# KiCad board RadCheck-SDRAM.kicad_pcb (continued)
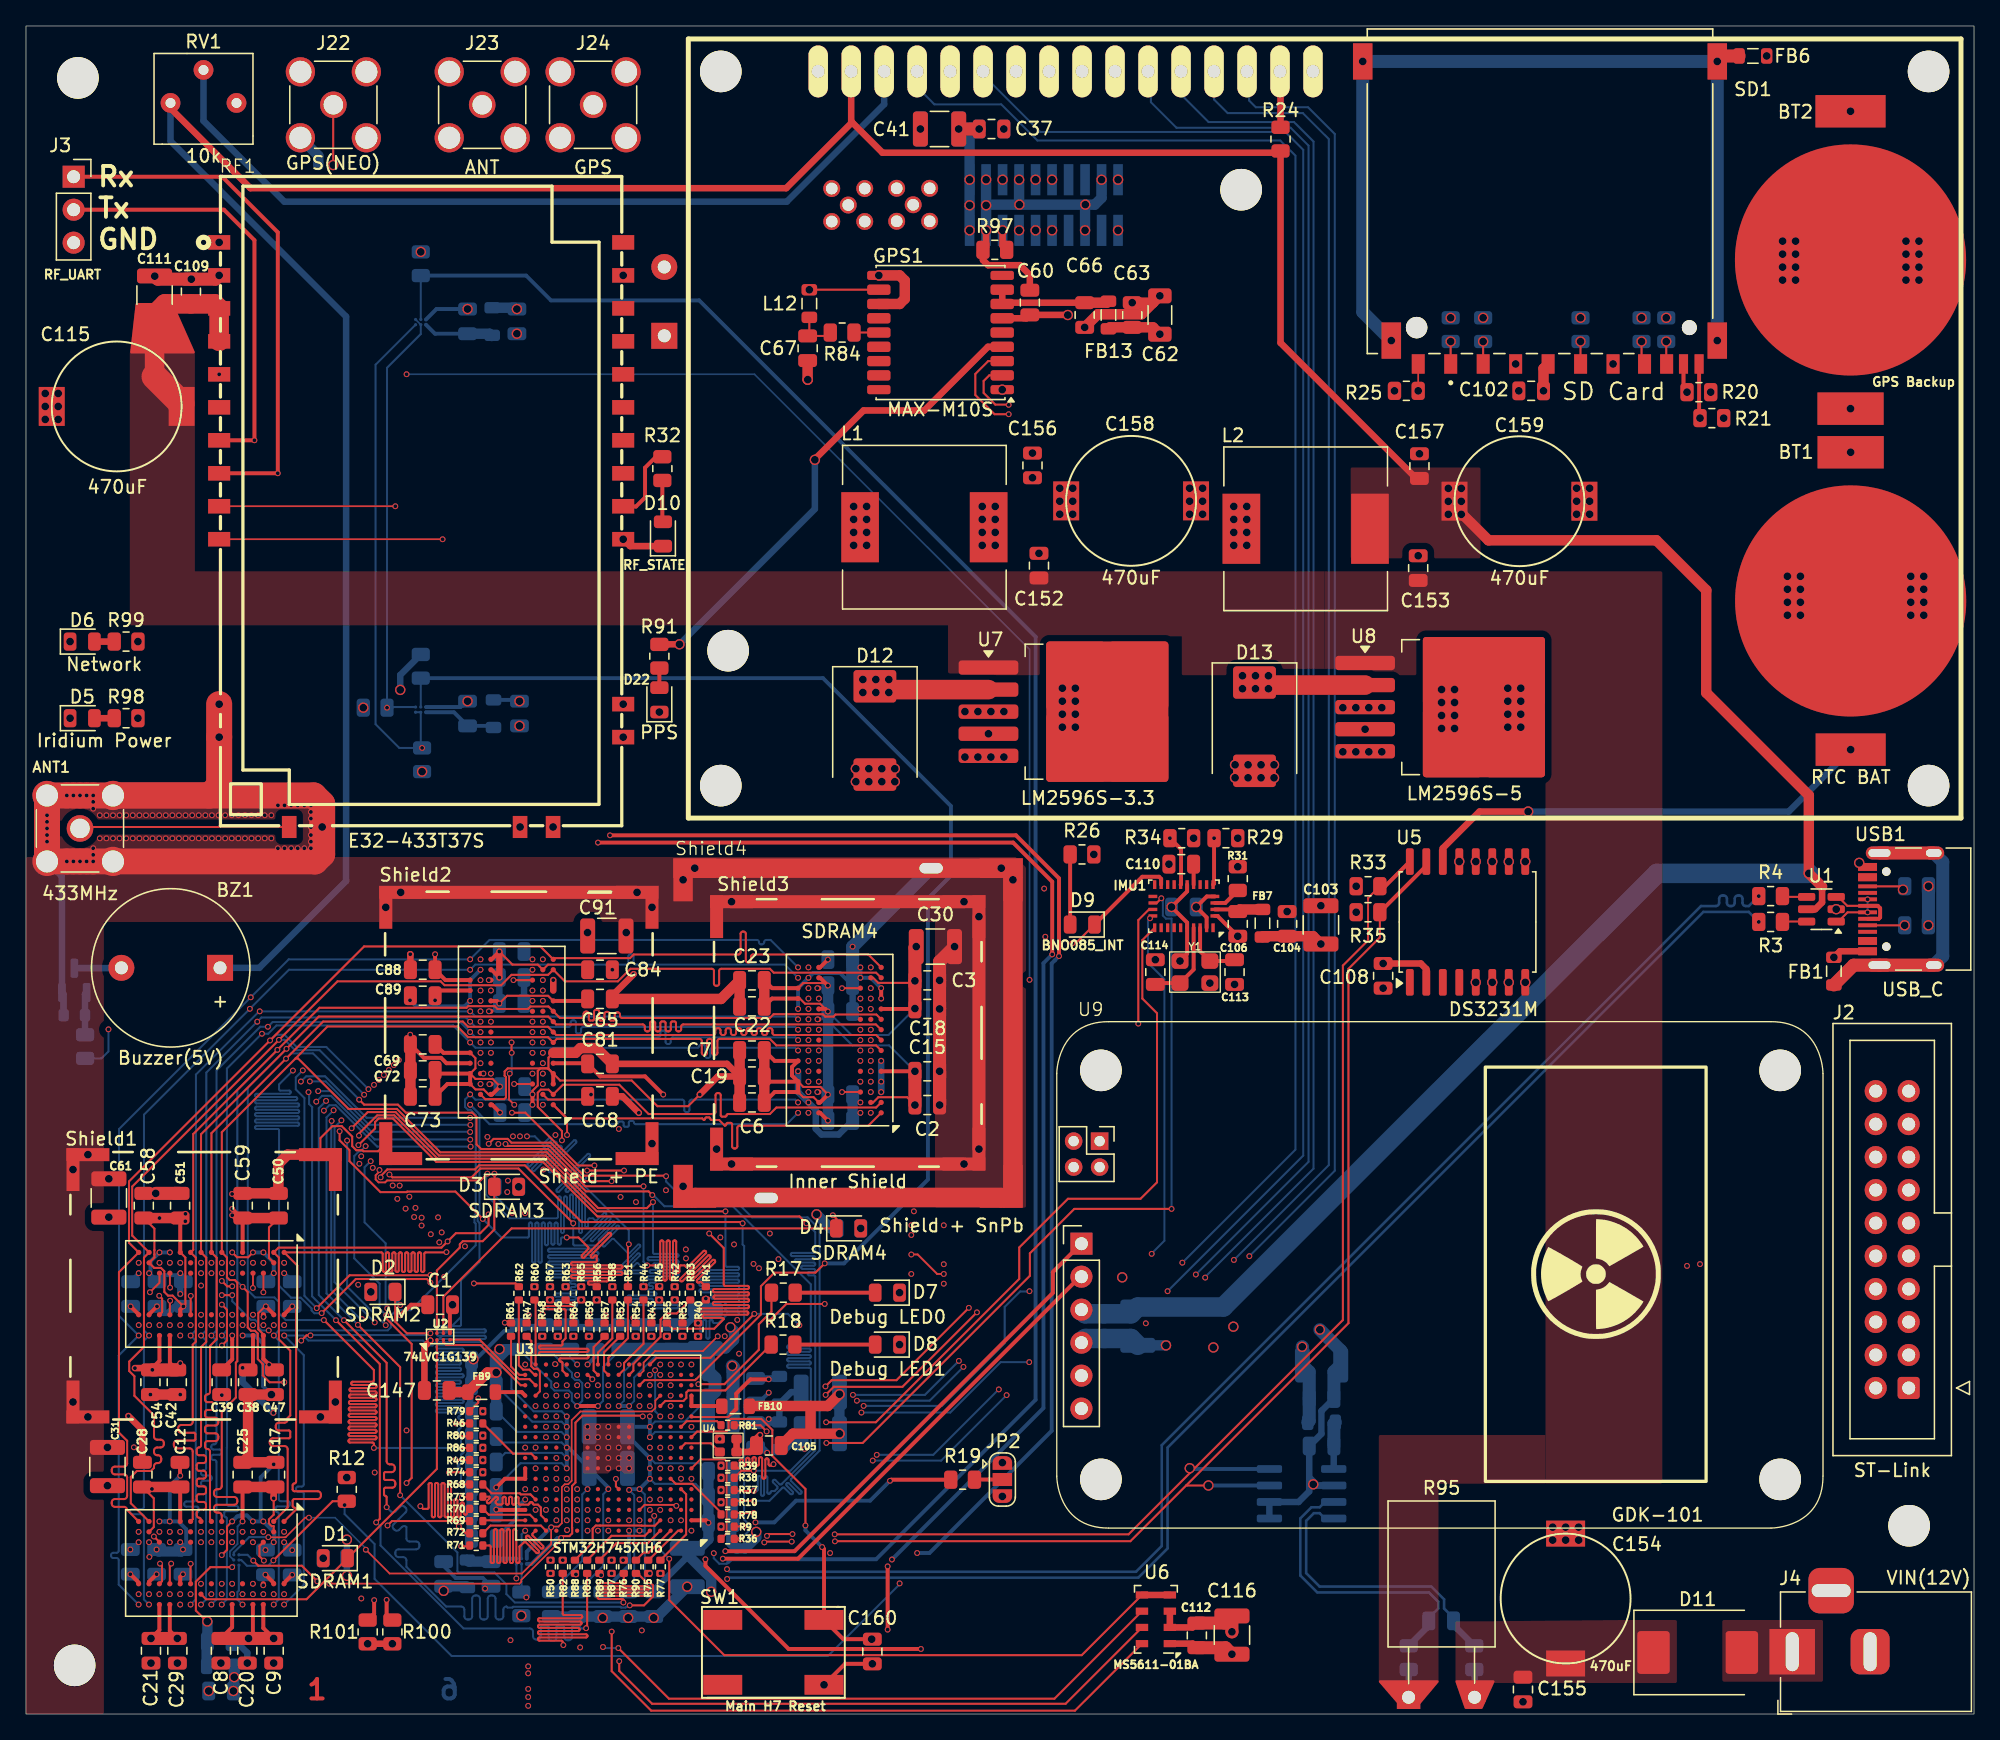
[diagram p0: board, top side]
## Placement (name value [footprint] x y rotation side) (continued)
Q1  BSS138  [SOT-23]  3.72 56.5 90 bottom
R1  5.1k  [R_0805_2012Metric]  145.58 63.75 0 bottom
R2  5.1k  [R_0805_2012Metric]  145.57 60.74 0 bottom
R3  22  [R_0805_2012Metric]  134.34 61 180 top
R4  22  [R_0805_2012Metric]  134.34 62.99 180 top
R5  1k  [R_0805_2012Metric]  23.8 12 180 bottom
R6  1k  [R_0805_2012Metric]  27.46 32.51 180 bottom
R7  1k  [R_0805_2012Metric]  37.03 40.6 0 bottom
R8  1k  [R_0805_2012Metric]  63.36 37.4 0 bottom
R9  22  [R_0402_1005Metric]  54.03 14.43 0 top
R10  22  [R_0402_1005Metric]  54.03 16.31 0 top
R11  10k  [R_0805_2012Metric]  38.14 8.49 90 bottom
R12  10k  [R_0805_2012Metric]  24.7 17.3 270 top
R13  4.7k  [R_0805_2012Metric]  30.5 73.49 90 bottom
R14  4.7k  [R_0805_2012Metric]  26.89 77.5 0 bottom
R15  10k  [R_0805_2012Metric]  30.4 80.69 270 bottom
R16  10k  [R_0805_2012Metric]  30.4 111.69 270 bottom
R17  1k  [R_0805_2012Metric]  58.31 32.45 0 top
R18  1k  [R_0805_2012Metric]  58.29 28.45 0 top
R19  10k  [R_0805_2012Metric]  72.12 18.05 180 top
R20  10k  [R_0805_2012Metric]  128.81 101.8 0 top
R21  10k  [R_0805_2012Metric]  129.81 99.8 0 top
R22  10k  [R_0805_2012Metric]  124.4 106.61 90 bottom
R23  10k  [R_0805_2012Metric]  126.3 106.61 90 bottom
R24  330  [R_0805_2012Metric]  96.6 121.29 270 top
R25  10k  [R_0805_2012Metric]  106.29 101.9 180 top
R26  1k  [R_0805_2012Metric]  81.31 66.2 180 top
R27  10k  [R_0805_2012Metric]  109.7 106.61 90 bottom
R28  10k  [R_0805_2012Metric]  119.7 106.61 90 bottom
R29  10k  [R_0805_2012Metric]  92.4 67.45 0 top
R30  10k  [R_0805_2012Metric]  112.2 106.61 90 bottom
R31  10k  [R_0805_2012Metric]  93.31 64.34 90 top
R32  1k  [R_0805_2012Metric]  49 95.91 270 top
R33  4.7k  [R_0805_2012Metric]  103.34 63.75 0 top
R34  10k  [R_0805_2012Metric]  89 67.45 0 top
R35  4.7k  [R_0805_2012Metric]  103.34 61.75 0 top
R36  22  [R_0402_1005Metric]  54.03 13.49 0 top
R37  22  [R_0402_1005Metric]  54.03 17.25 0 top
R38  22  [R_0402_1005Metric]  54.03 18.19 0 top
R39  22  [R_0402_1005Metric]  54.03 19.13 0 top
R40  22  [R_0402_1005Metric]  51.75 29.6 90 top
R41  22  [R_0402_1005Metric]  52.35 32.4 90 top
R42  22  [R_0402_1005Metric]  49.95 32.4 90 top
R43  22  [R_0402_1005Metric]  48.15 29.6 90 top
R44  22  [R_0402_1005Metric]  47.55 32.4 90 top
R45  22  [R_0402_1005Metric]  48.75 32.4 90 top
R46  22  [R_0402_1005Metric]  34.67 22.38 180 top
R47  22  [R_0402_1005Metric]  38.55 29.6 90 top
R48  22  [R_0402_1005Metric]  39.75 29.6 90 top
R49  22  [R_0402_1005Metric]  34.67 19.56 180 top
R50  22  [R_0402_1005Metric]  40.39 11.34 270 top
R51  22  [R_0402_1005Metric]  46.35 32.4 90 top
R52  22  [R_0402_1005Metric]  45.75 29.6 90 top
R53  22  [R_0402_1005Metric]  50.55 29.6 90 top
R54  22  [R_0402_1005Metric]  46.95 29.6 90 top
R55  22  [R_0402_1005Metric]  49.35 29.6 90 top
R56  22  [R_0402_1005Metric]  43.95 32.4 90 top
R57  22  [R_0402_1005Metric]  44.55 29.6 90 top
R58  22  [R_0402_1005Metric]  45.15 32.4 90 top
R59  22  [R_0402_1005Metric]  43.35 29.6 90 top
R60  22  [R_0402_1005Metric]  39.15 32.4 90 top
R61  22  [R_0402_1005Metric]  37.35 29.6 90 top
R62  22  [R_0402_1005Metric]  37.95 32.4 90 top
R63  22  [R_0402_1005Metric]  41.55 32.4 90 top
R64  22  [R_0402_1005Metric]  42.15 29.6 90 top
R65  22  [R_0402_1005Metric]  42.75 32.4 90 top
R66  22  [R_0402_1005Metric]  40.95 29.6 90 top
R67  22  [R_0402_1005Metric]  40.35 32.4 90 top
R68  22  [R_0402_1005Metric]  34.67 17.68 180 top
R69  22  [R_0402_1005Metric]  34.67 14.86 180 top
R70  22  [R_0402_1005Metric]  34.67 15.8 180 top
R71  22  [R_0402_1005Metric]  34.67 12.98 180 top
R72  22  [R_0402_1005Metric]  34.67 13.92 180 top
R73  22  [R_0402_1005Metric]  34.67 16.74 180 top
R74  22  [R_0402_1005Metric]  34.67 18.62 180 top
R75  22  [R_0402_1005Metric]  47.91 11.34 270 top
R76  22  [R_0402_1005Metric]  46.03 11.34 270 top
R77  22  [R_0402_1005Metric]  48.85 11.34 270 top
R78  22  [R_0402_1005Metric]  54.03 15.37 0 top
R79  22  [R_0402_1005Metric]  34.67 23.32 180 top
R80  22  [R_0402_1005Metric]  34.67 21.44 180 top
R81  22  [R_0402_1005Metric]  54.03 22.24 0 top
R82  22  [R_0402_1005Metric]  41.33 11.34 270 top
R83  22  [R_0402_1005Metric]  51.15 32.4 90 top
R84  10  [R_0805_2012Metric]  62.85 106.39 180 top
R85  22  [R_0402_1005Metric]  43.21 11.34 270 top
R86  22  [R_0402_1005Metric]  34.67 20.5 180 top
R87  22  [R_0402_1005Metric]  45.09 11.34 270 top
R88  22  [R_0402_1005Metric]  42.27 11.34 270 top
R89  22  [R_0402_1005Metric]  44.15 11.34 270 top
R90  22  [R_0402_1005Metric]  46.97 11.34 270 top
R91  1k  [R_0805_2012Metric]  48.77 81.46 270 top
R92  1k  [R_0805_2012Metric]  4.55 51.4 90 bottom
R93  10k  [R_0603_1608Metric]  3.72 53.81 0 bottom
R94  0  [R_0805_2012Metric]  106.47 4.34 270 bottom
R95  0.1  [TO-126-2_Horizontal_TabDown]  106.46 1.29 0 top
R96  0  [R_0805_2012Metric]  111.52 4.34 90 bottom
R97  1k  [R_0805_2012Metric]  74.6 112.76 0 top
R98  1k  [R_0805_2012Metric]  7.71 76.69 0 top
R99  1k  [R_0805_2012Metric]  7.71 82.59 0 top
R100  100k  [R_0805_2012Metric]  28.21 6.32 90 top
R101  100k  [R_0805_2012Metric]  26.31 6.32 90 top
REF**  -  [MountingHole_3.2mm_M3]  4 126 0 top
REF**#2  -  [MountingHole_3.2mm_M3]  145 14.5 0 top
REF**#3  -  [MountingHole_3.2mm_M3]  3.75 3.75 0 top
RF1  -  [E32-433T37S]  45.87 68.41 180 top
RV1  10k  [3362P-103LF]  13.67 126.61 0 top
SBD1  Iridium 9602  [Iridium_9602]  91.51 115.46 180 bottom
SD1  SD Card  [AMPHENOL_GSD090012SEU]  116.58 117.27 180 top
SDRAM1  IS42S32160F-6BLI  [BGA-90_8.0x13.0mm_Layout2x3x15_P0.8mm]  14.27 11.63 270 top
SDRAM2  IS42S32160F-6BLI  [BGA-90_8.0x13.0mm_Layout2x3x15_P0.8mm]  14.28 32.35 270 top
SDRAM3  IS42S32160F-6BLI  [BGA-90_8.0x13.0mm_Layout2x3x15_P0.8mm]  37.4 52.52 180 top
SDRAM4  IS42S32160F-6BLI  [BGA-90_8.0x13.0mm_Layout2x3x15_P0.8mm]  62.65 51.9 180 top
Shield1  Only Shield  [WE-SHC_ONE-PIECE_36903205S]  13.72 32.98 180 top
Shield2  Shield + PE  [WE-SHC_SMD-FRAME_36103205S]  37.95 53.03 180 top
Shield3  Inner Shield  [WE-SHC_ONE-PIECE_36903205S]  63.28 52.46 180 top
Shield4  Shield + SnPb  [MS257-10F]  63.35 52.44 0 top
SW1  Main H7 Reset  [SW_SMD_IT-1107]  56.45 2.25 180 top
Temp1  AS6221(MCU)  [WLCSP-6_1.4x1.0mm_P0.4mm]  38.16 11.76 0 bottom
Temp2  AS6221(SDRAM)  [WLCSP-6_1.4x1.0mm_P0.4mm]  16.2 11.86 90 bottom
Temp3  AS6221(RF_0)  [WLCSP-6_1.4x1.0mm_P0.4mm]  30.4 77.35 180 bottom
Temp4  AS6221(RF_1)  [WLCSP-6_1.4x1.0mm_P0.4mm]  30.4 107.19 180 bottom
U1  TVS  [SOT-23-6]  138.25 61.98 180 top
U2  74LVC1G139  [Texas_DSBGA-8_0.9x1.9mm_Layout2x4_P0.5mm]  31.89 29.07 90 top
U3  STM32H745XIH6  [TFBGA-265_14x14mm_Layout17x17_P0.8mm]  44.84 20.52 180 top
U4  12MHz  [ECS-TXO-2016]  54.04 20.68 180 top
U5  DS3231M  [SOIC-16W_7.5x10.3mm_P1.27mm]  111 61 90 top
U6  MS5611-01BA  [LGA-8_3x5mm_P1.25mm]  87 7.29 180 top
U7  LM2596S-3.3  [TO-263-5_TabPin3]  81.76 77.19 0 top
U8  LM2596S-5  [TO-263-5_TabPin3]  110.76 77.54 0 top
U9  -  [GDK-101]  109.37 33.32 270 top
U10  INA219BxD  [SOIC-8_3.9x4.9mm_P1.27mm]  98.22 16.97 0 bottom
USB1  USB_C  [USB_C_Receptacle_HRO_TYPE-C-31-M-12]  145.85 61.99 90 top
Y1  32.768kHz  [XC32M4]  90.06 57.09 0 top

## Library data of the parts
ANT1 J22-J24 = -: ki_fp_filters: *BNC* *SMA* *SMB* *SMC* *Cinch* *LEMO*
BT1 BT2 = -: Description: Single-cell battery
BZ1 = -: ki_fp_filters: *Buzzer*
C1 C36 C37 C41 C45 C107 C115 C152-C159 = -: Description: Unpolarized capacitor; ki_fp_filters: C_*
C2-C31 C34 C35 C38 C39 C42 C43 C46 C47 C50 C51 C54 C55 C58 C59 C61 C64 C65 C68 C69 C72 C73 C76 C77 C80 C81 C84 C85 C88 C89 C91 C117-C123 C125-C151 = -: Description: Unpolarized capacitor, small symbol; ki_fp_filters: C_*
C40 = -: Description: Polarized capacitor; ki_fp_filters: CP_*
C49 C52 C53 C56 C60 C62 C63 C66 C67 C92-C106 C108-C114 C116 C124 C160 = -: ki_fp_filters: C_*
D1-D4 D7-D10 = -: Description: Light emitting diode; ki_fp_filters: LED* LED_SMD:* LED_THT:*
D5 D6 = -: Description: Light emitting diode; Sim.Pins: 1=K 2=A; ki_fp_filters: LED* LED_SMD:* LED_THT:*
D11-D13 = -: Datasheet: https://www.vishay.com/docs/88751/ss32.pdf; Description: 40V 3A Schottky Diode, SMA; ki_fp_filters: D*SMA*
D21 = -: ki_fp_filters: TO-???* *_Diode_* *SingleDiode* D_*
D22 = -: ki_fp_filters: LED* LED_SMD:* LED_THT:*
DS1 = -: Datasheet: http://www.wincomlcd.com/pdf/WC1602A-SFYLYHTC06.pdf; Description: LCD 16x2 Alphanumeric , 8 bit parallel bus, 5V VDD; ki_fp_filters: *WC*1602A*
FB1 FB7-FB11 FB13 = -: Description: Ferrite bead, small symbol; ki_fp_filters: Inductor_* L_* *Ferrite*
FB2-FB6 FB12 = -: ki_fp_filters: Inductor_* L_* *Ferrite*
GPS1 = -: Datasheet: https://content.u-blox.com/sites/default/files/MAX-M10S_DataSheet_UBX-20035208.pdf; ki_fp_filters: ublox?MAX*
J2 = -: ki_fp_filters: Connector*:*_2x??_*
J3 = -: Description: Generic connector, single row, 01x03, script generated (kicad-library-utils/schlib/autogen/connector/); ki_fp_filters: Connector*:*_1x??_*
J4 = -: Description: DC Barrel Jack with an internal switch; ki_fp_filters: BarrelJack*
JP2 = -: Description: Solder Jumper, 3-pole, open; ki_fp_filters: SolderJumper*Open*
L1 L2 = -: Description: Inductor; ki_fp_filters: Choke_* *Coil* Inductor_* L_*
L12 = -: ki_fp_filters: Choke_* *Coil* Inductor_* L_*
Q1 = -: Datasheet: https://www.onsemi.com/pub/Collateral/BSS138-D.PDF; Description: 50V Vds, 0.22A Id, N-Channel MOSFET, SOT-23; ki_fp_filters: SOT?23*
R1 R2 R5-R10 R17 R18 R20-R23 R25-R28 R30 R32 R33 R35-R83 R85-R90 R92 R98-R101 = -: Description: Resistor; ki_fp_filters: R_*
R3 R4 R11-R16 R29 R31 R34 R84 R91 R93-R97 = -: ki_fp_filters: R_*
R19 R24 = -: Description: Resistor, small symbol; ki_fp_filters: R_*
RV1 = -: ki_fp_filters: Potentiometer*
SD1 = -: MF: Amphenol; MAXIMUM_PACKAGE_HEIGHT: 2.95mm; Package: None; Price: None; Check_prices: https://www.snapeda.com/parts/GSD090012SEU/Amphenol/view-part/?ref=eda; STANDARD: Manufacturer Recommendations; PARTREV: E; SnapEDA_Link: https://www.snapeda.com/parts/GSD090012SEU/Amphenol/view-part/?ref=snap; MP: GSD090012SEU; Description_1: Micro SD and SD Card Sockets, Input Output Connectors, SD Socket,9 Position,SMT; Availability: In Stock; MANUFACTURER: Amphenol
SDRAM1-SDRAM4 = -: Datasheet: https://www.issi.com/WW/pdf/42-45R-S-32160F.pdf; Description: DRAM SDRAM,512M,3.3V,RoHs 166MHz,16Mx32, IT; Description_1: DRAM SDRAM,512M,3.3V,RoHs 166MHz,16Mx32, IT; Height: 1.2; Manufacturer_Name: Integrated Silicon Solution Inc.
Shield1-Shield4 = -: Description: One-piece EMI RF shielding cabinet
SW1 = -: ki_fp_filters: SW?DIP?x2*
U1 = -: Datasheet: https://www.we-online.com/components/products/datasheet/82400102.pdf; ki_fp_filters: SOT?23*
U2 = -: Datasheet: http://www.ti.com/lit/sg/scyt129e/scyt129e.pdf; Description: 2 to 4 Decoder, Low-Voltage CMOS; ki_fp_filters: SSOP* VSSOP*
U5 = -: Datasheet: http://datasheets.maximintegrated.com/en/ds/DS3231.pdf; Description: Extremely Accurate I2C-Integrated RTC/TCXO/Crystal SOIC-16; ki_fp_filters: SOIC*7.5x10.3mm*P1.27mm*
U6 = -: Datasheet: https://www.te.com/commerce/DocumentDelivery/DDEController?Action=srchrtrv&DocNm=MS5611-01BA03&DocType=Data+Sheet&DocLang=English; Description: Barometric pressure sensor, 10cm resolution, 10 to 1200 mbar, I2C and SPI interface up to 20MHz, LGA-8; ki_fp_filters: LGA*3x5mm*P1.25mm*
U7 = -: Datasheet: http://www.ti.com/lit/ds/symlink/lm2596.pdf; Description: 3.3V 3A Step-Down Voltage Regulator, TO-263; ki_fp_filters: TO?263*
U8 = -: Datasheet: http://www.ti.com/lit/ds/symlink/lm2596.pdf; Description: 5V 3A Step-Down Voltage Regulator, TO-263; ki_fp_filters: TO?263*
U9 = -: Datasheet: https://www.eleparts.co.kr/data/goods_old/design/product_file/Hoon/GDK101datasheet_v1.5.pdf; Description: Gamma Radiation Sensor Module
U10 = -: Datasheet: http://www.ti.com/lit/ds/symlink/ina219.pdf; ki_fp_filters: SOIC*3.9x4.9mm*P1.27mm*
USB1 = -: Datasheet: https://www.usb.org/sites/default/files/documents/usb_type-c.zip; Description: USB 2.0-only 14P Type-C Receptacle connector; ki_fp_filters: USB*C*Receptacle*
Y1 = -: Description: Four pin crystal, GND on pins 2 and 4; ki_fp_filters: Crystal*

## Footprints (pads in the part's own frame, mm; a bottom-side part is the same pattern mirrored in y, then rotated)
3362P-103LF
  round 1.524 hole 0.762: 1(-2.54,-2.54) 2(0,0) 3(2.54,-2.54)
AMPHENOL_GSD090012SEU
  round 1.15 hole 1.15 unplated: (-11.5,10.5)
  round 1.65 hole 1.65 unplated: (9.5,10.5)
  rect 1x1.5 smd: 1(6.875,13.3) 2(4.375,13.3) 3(1.875,13.3) 4(-0.625,13.3) 5(-3.125,13.3) 6(-5.625,13.3) 7(-8.05,13.3) 8(-9.75,13.3) 9(9.375,13.3)
  rect 0.7x1.5 smd: CD_IND(-11.05,13.3) WP(-12.25,13.3)
  rect 1.5x2.8 smd: G1(-13.65,11.5) G2(11.45,11.5) G3(13.65,-10) G4(-13.65,-10)
BarrelJack_Horizontal
  rect 3.5x3.5 hole 1x3: 1(0,0)
  rrect 3x3.5 hole 1x3: 2(-6,0)
  rrect 3.5x3.5 hole 3x1: 3(-3,-4.7)
BAT-HLD-001
  rect 2.5x5.4 smd: 1(-11.45,0)
  rect 2.5x5.1 smd: 1(11.45,0)
  round 17.8 smd: 2(0,0)
BGA-90_8.0x13.0mm_Layout2x3x15_P0.8mm
  round 0.4 smd: A1(-3.2,5.6) A2(-2.4,5.6) A3(-1.6,5.6) A7(1.6,5.6) A8(2.4,5.6) A9(3.2,5.6) B1(-3.2,4.8) B2(-2.4,4.8) B3(-1.6,4.8) B7(1.6,4.8) B8(2.4,4.8) B9(3.2,4.8) C1(-3.2,4) C2(-2.4,4) C3(-1.6,4) C7(1.6,4) C8(2.4,4) C9(3.2,4) D1(-3.2,3.2) D2(-2.4,3.2) D3(-1.6,3.2) D7(1.6,3.2) D8(2.4,3.2) D9(3.2,3.2) E1(-3.2,2.4) E2(-2.4,2.4) E3(-1.6,2.4) E7(1.6,2.4) E8(2.4,2.4) E9(3.2,2.4) F1(-3.2,1.6) F2(-2.4,1.6) F3(-1.6,1.6) F7(1.6,1.6) F8(2.4,1.6) F9(3.2,1.6) G1(-3.2,0.8) G2(-2.4,0.8) G3(-1.6,0.8) G7(1.6,0.8) G8(2.4,0.8) G9(3.2,0.8) H1(-3.2,0) H2(-2.4,0) H3(-1.6,0) H7(1.6,0) H8(2.4,0) H9(3.2,0) J1(-3.2,-0.8) J2(-2.4,-0.8) J3(-1.6,-0.8) J7(1.6,-0.8) J8(2.4,-0.8) J9(3.2,-0.8) K1(-3.2,-1.6) K2(-2.4,-1.6) K3(-1.6,-1.6) K7(1.6,-1.6) K8(2.4,-1.6) K9(3.2,-1.6) L1(-3.2,-2.4) L2(-2.4,-2.4) L3(-1.6,-2.4) L7(1.6,-2.4) L8(2.4,-2.4) L9(3.2,-2.4) M1(-3.2,-3.2) M2(-2.4,-3.2) M3(-1.6,-3.2) M7(1.6,-3.2) M8(2.4,-3.2) M9(3.2,-3.2) N1(-3.2,-4) N2(-2.4,-4) N3(-1.6,-4) N7(1.6,-4) N8(2.4,-4) N9(3.2,-4) P1(-3.2,-4.8) P2(-2.4,-4.8) P3(-1.6,-4.8) P7(1.6,-4.8) P8(2.4,-4.8) P9(3.2,-4.8) R1(-3.2,-5.6) R2(-2.4,-5.6) R3(-1.6,-5.6) R7(1.6,-5.6) R8(2.4,-5.6) R9(3.2,-5.6)
Buzzer_12x9.5RM7.6
  rect 2x2 hole 1: 1(0,0)
  round 2 hole 1: 2(7.6,0)
C_0805_2012Metric
  rrect 1x1.45 smd: 1(-0.95,0) 2(0.95,0)
C_1206_3216Metric
  rrect 1.15x1.8 smd: 1(-1.475,0) 2(1.475,0)
C_1210_3225Metric
  rrect 1.15x2.7 smd: 1(-1.475,0) 2(1.475,0)
D_0402_1005Metric_Pad0.77x0.64mm_HandSolder
  rrect 0.765x0.64 smd: 1(-0.573,0) 2(0.573,0)
D_SMC
  rrect 2.5x3.3 smd: 1(-3.4,0) 2(3.4,0)
E32-433T37S
  rect 1.7x1.12 smd: 1(30.999,-44.922) 2(30.999,-42.382) 3(30.999,-39.842) 4(30.999,-37.301) 5(30.999,-34.761) 6(30.999,-32.221) 7(30.999,-29.681) 8(30.999,-27.142) 9(30.999,-24.602) 10(30.999,-22.061) 11(30.999,-9.361) 12(30.999,-6.822) 17(-0.111,-6.822) 18(-0.111,-9.361) 19(-0.111,-22.061) 20(-0.111,-24.602) 21(-0.111,-27.142) 22(-0.111,-29.681) 23(-0.111,-32.221) 24(-0.111,-34.761) 25(-0.111,-37.301) 26(-0.111,-39.842) 27(-0.111,-42.382) 28(-0.111,-44.922)
  rect 1.12x1.7 smd: 13(25.609,0.099) 14(23.069,0.099) 15(7.829,0.099) 16(5.289,0.099)
ECS-TXO-2016
  rrect 0.8x0.7 smd: 1(-0.675,-0.5) 2(0.625,-0.5) 3(0.625,0.5) 4(-0.675,0.5)
GDK-101
  round 3.2 hole 3.2 unplated: (-16.25,25.7) (-16.25,-26.6) (15.25,25.7) (15.25,-26.6)
  rect 1.7x1.7 hole 1: 1(-2.9,-28.1)
  round 1.7 hole 1: 2(-0.36,-28.1) 3(2.18,-28.1) 4(4.72,-28.1) 5(7.26,-28.1) 6(9.8,-28.1)
  round 1.35 hole 0.8: 8(-10.8,-28.7) 10(-8.8,-28.7) A1(-8.8,-26.7)
  rect 1.35x1.35 hole 0.8: A0(-10.8,-26.7)
IDC-Header_2x10_P2.54mm_Vertical
  rrect 1.7x1.7 hole 1: 1(0,0)
  round 1.7 hole 1: 2(2.54,0) 3(0,-2.54) 4(2.54,-2.54) 5(0,-5.08) 6(2.54,-5.08) 7(0,-7.62) 8(2.54,-7.62) 9(0,-10.16) 10(2.54,-10.16) 11(0,-12.7) 12(2.54,-12.7) 13(0,-15.24) 14(2.54,-15.24) 15(0,-17.78) 16(2.54,-17.78) 17(0,-20.32) 18(2.54,-20.32) 19(0,-22.86) 20(2.54,-22.86)
Iridium_9602
  round 3.2 hole 3.2 unplated: (-2.055,1.93) (37.445,-33.57)
  rect 0.74x2.4 smd: 1(18.85,-1.2) 2(18.85,2.7) 3(17.58,-1.2) 4(17.58,2.7) 5(16.31,-1.2) 6(16.31,2.7) 7(15.04,-1.2) 8(15.04,2.7) 9(13.77,-1.2) 10(13.77,2.7) 11(12.5,-1.2) 12(12.5,2.7) 13(11.23,-1.2) 14(11.23,2.7) 15(9.96,-1.2) 16(9.96,2.7) 17(8.69,-1.2) 18(8.69,2.7) 19(7.42,-1.2) 20(7.42,2.7)
  round 1.3 hole 0.9: 21(23.195,0.77) 22(28.195,0.75) 23(21.925,-0.5) 23(21.925,2.04) 23(24.465,-0.5) 23(24.465,2.04) 23(26.925,-0.52) 23(26.925,2.02) 23(29.465,-0.52) 23(29.465,2.02)
L_12x12mm_H8mm
  rect 2.9x5.4 smd: 1(-4.95,0) 2(4.95,0)
L_0805_2012Metric
  rrect 0.875x1.2 smd: 1(-1.062,0) 2(1.062,0)
LCD-20x4
  round 3.2 hole 3.2 unplated: (-46.5,27.501) (-46.5,-27.501) (46.5,27.501) (46.5,-27.499)
  oval 1.501x4 hole 1.001: 1(-38.999,27.501) 2(-36.459,27.501) 3(-33.919,27.501) 4(-31.379,27.501) 5(-28.839,27.501) 6(-26.299,27.501) 7(-23.759,27.501) 8(-21.219,27.501) 9(-18.679,27.501) 10(-16.139,27.501) 11(-13.599,27.501) 12(-11.059,27.501) 13(-8.519,27.501) 14(-5.979,27.501) 15(-3.439,27.501) 16(-0.899,27.501)
LED_0805_2012Metric
  rrect 0.975x1.4 smd: 1(-0.938,0) 2(0.938,0)
LGA-8_3x5mm_P1.25mm
  rect 0.95x0.55 smd: 1(-1.075,1.875) 2(-1.075,0.625) 3(-1.075,-0.625) 4(-1.075,-1.875) 5(1.075,-1.875) 6(1.075,-0.625) 7(1.075,0.625) 8(1.075,1.875)
LGA-28_5.2x3.8mm_P0.5mm
  rect 0.254x0.675 smd: 1(-2.25,1.663) 6(-2.25,-1.663) 7(-1.75,-1.663) 8(-1.25,-1.663) 9(-0.75,-1.663) 10(-0.25,-1.663) 11(0.25,-1.663) 12(0.75,-1.663) 13(1.25,-1.663) 14(1.75,-1.663) 15(2.25,-1.663) 20(2.25,1.663) 21(1.75,1.663) 22(1.25,1.663) 23(0.75,1.663) 24(0.25,1.663) 25(-0.25,1.663) 26(-0.75,1.663) 27(-1.25,1.663) 28(-1.75,1.663)
  rect 0.675x0.254 smd: 2(-2.388,0.75) 3(-2.388,0.25) 4(-2.388,-0.25) 5(-2.388,-0.75) 16(2.388,-0.75) 17(2.388,-0.25) 18(2.388,0.25) 19(2.388,0.75)
MountingHole_3.2mm_M3
  round 3.2 hole 3.2 unplated: (0,0)
MS257-10F
  rect 1.5x3.3 smd: 1(-12.75,11.8) 1(-12.75,-11.8) 1(12.65,11.8) 1(12.65,-11.8)
  rect 3.3x1.5 smd: 1(-11.85,12.7) 1(-11.85,-12.7) 1(11.75,12.7) 1(11.75,-12.7)
  oval 2x1 hole 1.8x0.8: 1(-6.35,-12.7) 1(6.35,12.7)
MVG25WV470M
  rect 2x3 smd: 1(-4.906,0.428) 2(5.094,0.428)
PinSocket_1x03_P2.54mm_Vertical
  rect 1.7x1.7 hole 1: 1(0,0)
  oval 1.7x1.7 hole 1: 2(0,-2.54) 3(0,-5.08)
PTV-6R0H505-R
  rect 2x2 hole 1: 1(13.3,-34.5)
  round 2 hole 1: 2(8,-34.5)
R_0402_1005Metric
  rrect 0.54x0.64 smd: 1(-0.51,0) 2(0.51,0)
R_0603_1608Metric
  rrect 0.8x0.95 smd: 1(-0.825,0) 2(0.825,0)
R_0805_2012Metric
  rrect 1.025x1.4 smd: 1(-0.912,0) 2(0.912,0)
SMA_Amphenol_132134-11_Vertical
  round 2.05 hole 1.5: 1(0,0)
  round 2.25 hole 1.7: 2(-2.54,2.54) 2(-2.54,-2.54) 2(2.54,2.54) 2(2.54,-2.54)
SOIC-8_3.9x4.9mm_P1.27mm
  rrect 1.95x0.6 smd: 1(-2.475,1.905) 2(-2.475,0.635) 3(-2.475,-0.635) 4(-2.475,-1.905) 5(2.475,-1.905) 6(2.475,-0.635) 7(2.475,0.635) 8(2.475,1.905)
SOIC-16W_7.5x10.3mm_P1.27mm
  rrect 2.05x0.6 smd: 1(-4.65,4.445) 2(-4.65,3.175) 3(-4.65,1.905) 4(-4.65,0.635) 5(-4.65,-0.635) 6(-4.65,-1.905) 7(-4.65,-3.175) 8(-4.65,-4.445) 9(4.65,-4.445) 10(4.65,-3.175) 11(4.65,-1.905) 12(4.65,-0.635) 13(4.65,0.635) 14(4.65,1.905) 15(4.65,3.175) 16(4.65,4.445)
SolderJumper-3_P1.3mm_Open_RoundedPad1.0x1.5mm
  custom 1.05x1.5 smd: 1(-1.3,0) 3(1.3,0)
  rect 1x1.5 smd: 2(0,0)
SOT-23
  rrect 1.475x0.6 smd: 1(-0.938,0.95) 2(-0.938,-0.95) 3(0.938,0)
SOT-23-6
  rrect 1.325x0.6 smd: 1(-1.137,0.95) 2(-1.137,0) 3(-1.137,-0.95) 4(1.137,-0.95) 5(1.137,0) 6(1.137,0.95)
SW_SMD_IT-1107
  rect 3x1.524 smd: 1(-5,-5) 2(2.8,-5) 3(-5,0) 4(2.8,0)
Texas_DSBGA-8_0.9x1.9mm_Layout2x4_P0.5mm
  rect 0.3x0.3 smd: (-0.25,0.75) (-0.25,0.25) (-0.25,-0.25) (-0.25,-0.75) (0.25,0.75) (0.25,0.25) (0.25,-0.25) (0.25,-0.75)
  round 0.265 smd: 1(-0.25,-0.75) 2(-0.25,-0.25) 3(-0.25,0.25) 4(-0.25,0.75) 5(0.25,0.75) 6(0.25,0.25) 7(0.25,-0.25) 8(0.25,-0.75)
TFBGA-265_14x14mm_Layout17x17_P0.8mm
  round 0.325 smd: A1(-6.4,6.4) A2(-5.6,6.4) A3(-4.8,6.4) A4(-4,6.4) A5(-3.2,6.4) A6(-2.4,6.4) A7(-1.6,6.4) A8(-0.8,6.4) A9(0,6.4) A10(0.8,6.4) A11(1.6,6.4) A12(2.4,6.4) A13(3.2,6.4) A14(4,6.4) A15(4.8,6.4) A16(5.6,6.4) A17(6.4,6.4) B1(-6.4,5.6) B2(-5.6,5.6) B3(-4.8,5.6) B4(-4,5.6) B5(-3.2,5.6) B6(-2.4,5.6) B7(-1.6,5.6) B8(-0.8,5.6) B9(0,5.6) B10(0.8,5.6) B11(1.6,5.6) B12(2.4,5.6) B13(3.2,5.6) B14(4,5.6) B15(4.8,5.6) B16(5.6,5.6) B17(6.4,5.6) C1(-6.4,4.8) C2(-5.6,4.8) C3(-4.8,4.8) C4(-4,4.8) C5(-3.2,4.8) C6(-2.4,4.8) C7(-1.6,4.8) C8(-0.8,4.8) C9(0,4.8) C10(0.8,4.8) C11(1.6,4.8) C12(2.4,4.8) C13(3.2,4.8) C14(4,4.8) C15(4.8,4.8) C16(5.6,4.8) C17(6.4,4.8) D1(-6.4,4) D2(-5.6,4) D3(-4.8,4) D4(-4,4) D5(-3.2,4) D6(-2.4,4) D7(-1.6,4) D8(-0.8,4) D9(0,4) D10(0.8,4) D11(1.6,4) D12(2.4,4) D13(3.2,4) D14(4,4) D15(4.8,4) D16(5.6,4) D17(6.4,4) E1(-6.4,3.2) E2(-5.6,3.2) E3(-4.8,3.2) E4(-4,3.2) E5(-3.2,3.2) E6(-2.4,3.2) E7(-1.6,3.2) E8(-0.8,3.2) E9(0,3.2) E10(0.8,3.2) E11(1.6,3.2) E12(2.4,3.2) E13(3.2,3.2) E14(4,3.2) E15(4.8,3.2) E16(5.6,3.2) E17(6.4,3.2) F1(-6.4,2.4) F2(-5.6,2.4) F3(-4.8,2.4) F4(-4,2.4) F5(-3.2,2.4) F13(3.2,2.4) F14(4,2.4) F15(4.8,2.4) F16(5.6,2.4) F17(6.4,2.4) G1(-6.4,1.6) G2(-5.6,1.6) G3(-4.8,1.6) G4(-4,1.6) G5(-3.2,1.6) G7(-1.6,1.6) G8(-0.8,1.6) G9(0,1.6) G10(0.8,1.6) G11(1.6,1.6) G13(3.2,1.6) G14(4,1.6) G15(4.8,1.6) G16(5.6,1.6) G17(6.4,1.6) H1(-6.4,0.8) H2(-5.6,0.8) H3(-4.8,0.8) H4(-4,0.8) H5(-3.2,0.8) H7(-1.6,0.8) H8(-0.8,0.8) H9(0,0.8) H10(0.8,0.8) H11(1.6,0.8) H13(3.2,0.8) H14(4,0.8) H15(4.8,0.8) H16(5.6,0.8) H17(6.4,0.8) J1(-6.4,0) J2(-5.6,0) J3(-4.8,0) J4(-4,0) J5(-3.2,0) J7(-1.6,0) J8(-0.8,0) J9(0,0) J10(0.8,0) J11(1.6,0) J13(3.2,0) J14(4,0) J15(4.8,0) J16(5.6,0) J17(6.4,0) K1(-6.4,-0.8) K2(-5.6,-0.8) K3(-4.8,-0.8) K4(-4,-0.8) K5(-3.2,-0.8) K7(-1.6,-0.8) K8(-0.8,-0.8) K9(0,-0.8) K10(0.8,-0.8) K11(1.6,-0.8) K13(3.2,-0.8) K14(4,-0.8) K15(4.8,-0.8) K16(5.6,-0.8) K17(6.4,-0.8) L1(-6.4,-1.6) L2(-5.6,-1.6) L3(-4.8,-1.6) L4(-4,-1.6) L5(-3.2,-1.6) L7(-1.6,-1.6) L8(-0.8,-1.6) L9(0,-1.6) L10(0.8,-1.6) L11(1.6,-1.6) L13(3.2,-1.6) L14(4,-1.6) L15(4.8,-1.6) L16(5.6,-1.6) L17(6.4,-1.6) M1(-6.4,-2.4) M2(-5.6,-2.4) M3(-4.8,-2.4) M4(-4,-2.4) M5(-3.2,-2.4) M13(3.2,-2.4) M14(4,-2.4) M15(4.8,-2.4) M16(5.6,-2.4) M17(6.4,-2.4) N1(-6.4,-3.2) N2(-5.6,-3.2) N3(-4.8,-3.2) N4(-4,-3.2) N5(-3.2,-3.2) N6(-2.4,-3.2) N7(-1.6,-3.2) N8(-0.8,-3.2) N9(0,-3.2) N10(0.8,-3.2) N11(1.6,-3.2) N12(2.4,-3.2) N13(3.2,-3.2) N14(4,-3.2) N15(4.8,-3.2) N16(5.6,-3.2) N17(6.4,-3.2) P1(-6.4,-4) P2(-5.6,-4) P3(-4.8,-4) P4(-4,-4) P5(-3.2,-4) P6(-2.4,-4) P7(-1.6,-4) P8(-0.8,-4) P9(0,-4) P10(0.8,-4) P11(1.6,-4) P12(2.4,-4) P13(3.2,-4) P14(4,-4) P15(4.8,-4) P16(5.6,-4) P17(6.4,-4) R1(-6.4,-4.8) R2(-5.6,-4.8) R3(-4.8,-4.8) R4(-4,-4.8) R5(-3.2,-4.8) R6(-2.4,-4.8) R7(-1.6,-4.8) R8(-0.8,-4.8) R9(0,-4.8) R10(0.8,-4.8) R11(1.6,-4.8) R12(2.4,-4.8) R13(3.2,-4.8) R14(4,-4.8) R15(4.8,-4.8) R16(5.6,-4.8) R17(6.4,-4.8) T1(-6.4,-5.6) T2(-5.6,-5.6) T3(-4.8,-5.6) T4(-4,-5.6) T5(-3.2,-5.6) T6(-2.4,-5.6) T7(-1.6,-5.6) T8(-0.8,-5.6) T9(0,-5.6) T10(0.8,-5.6) T11(1.6,-5.6) T12(2.4,-5.6) T13(3.2,-5.6) T14(4,-5.6) T15(4.8,-5.6) T16(5.6,-5.6) T17(6.4,-5.6) U1(-6.4,-6.4) U2(-5.6,-6.4) U3(-4.8,-6.4) U4(-4,-6.4) U5(-3.2,-6.4) U6(-2.4,-6.4) U7(-1.6,-6.4) U8(-0.8,-6.4) U9(0,-6.4) U10(0.8,-6.4) U11(1.6,-6.4) U12(2.4,-6.4) U13(3.2,-6.4) U14(4,-6.4) U15(4.8,-6.4) U16(5.6,-6.4) U17(6.4,-6.4)